# Allegro board FMDEMOD-Long.brd (continued)
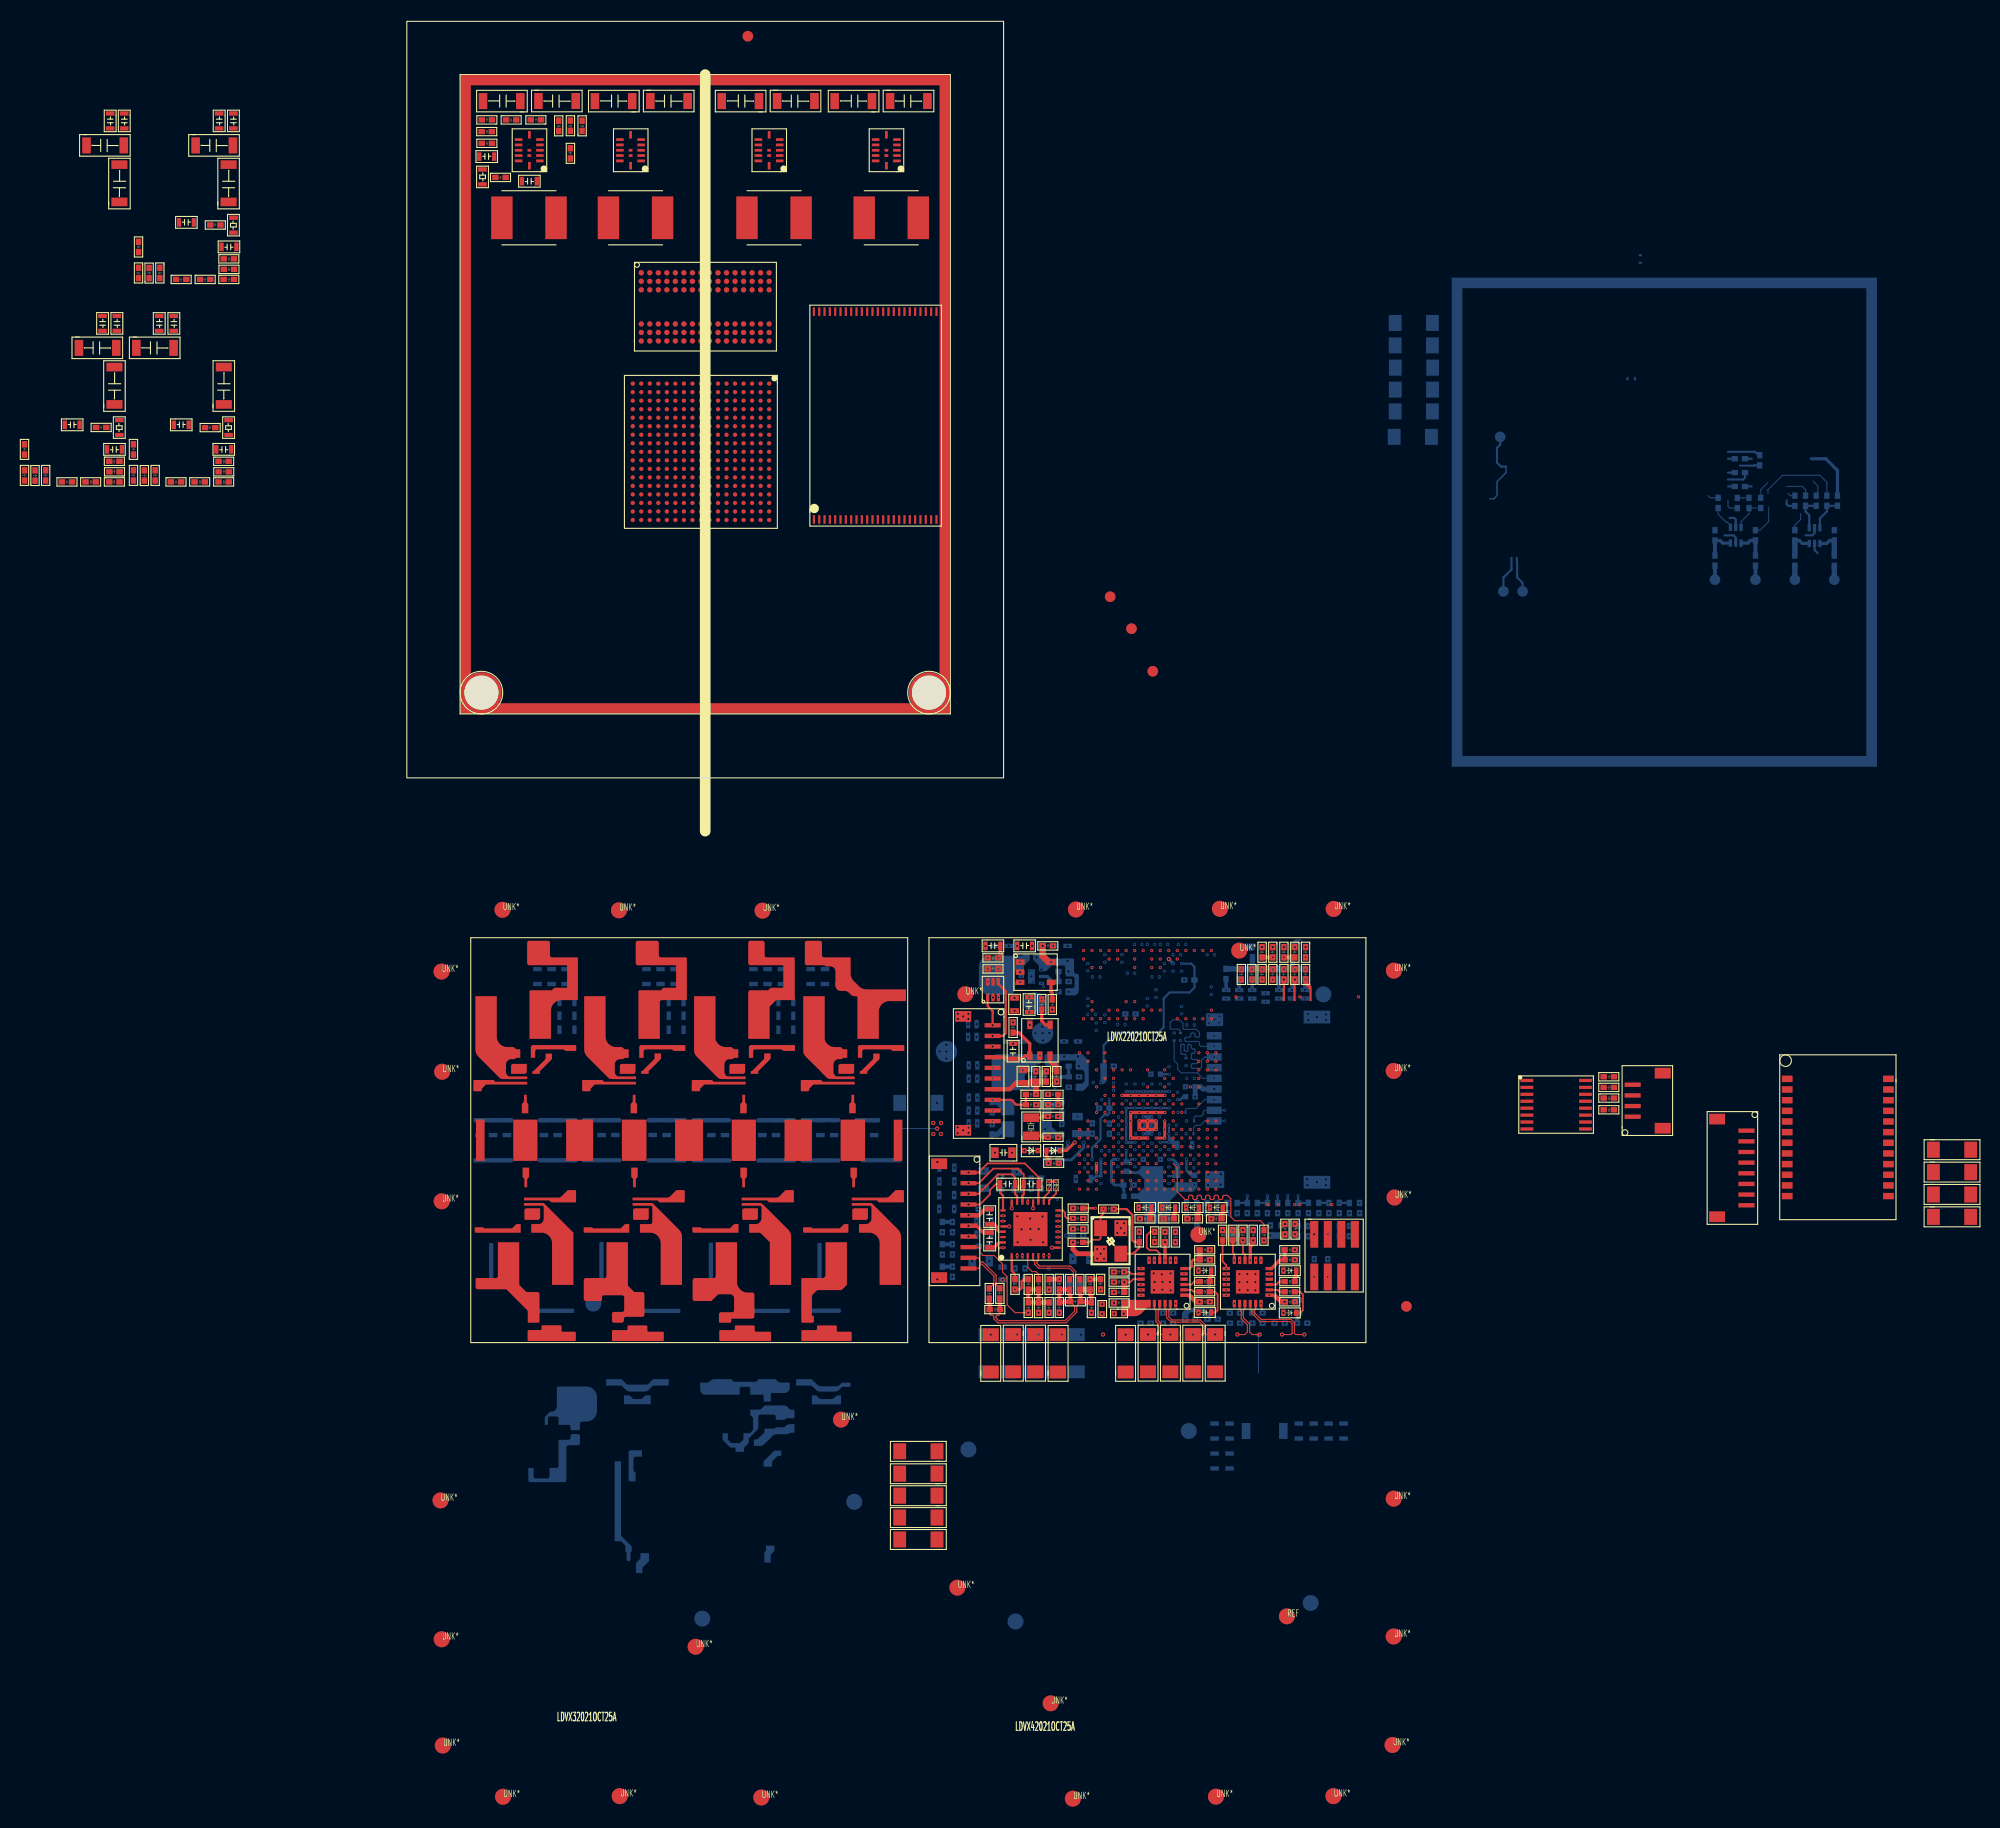
[diagram p0: board, top side]
## Placement (name value [footprint] x y rotation side) (continued)
L31  BLM18SP102SN1D  [FB0603]  56.08 -37.22 270 bottom
L32  BLM18SP102SN1D  [FB0402]  68.25 -39.51 180 bottom
L33  BLM18SP102SN1D  [FB0603]  55.5 -47.31 90 bottom
L34  BLM18SP102SN1D  [FB0603]  84.03 -48.82 270 bottom
NOREF  -  []  49.72 -46.33 0 top
NOREF#2  -  []  55.9 -48.36 0 top
NOREF#3  -  []  63.32 -27.45 90 top
NOREF#4  -  []  81.56 -20.81 0 top
NOREF#5  -  []  121.4 20.37 0 top
NOREF#6  -  []  -20.72 27.39 90 top
NOREF#7  -  []  89.65 -41.96 0 top
NOREF#8  -  []  113.73 -29.44 90 top
NOREF#9  -  []  57.29 -23.03 0 top
NOREF#10  -  []  115.43 36.76 90 top
NOREF#11  -  []  78.4 -64.91 90 top
NOREF#12  -  []  83.79 -49.56 90 top
NOREF#13  -  []  32.93 -19.44 90 top
NOREF#14  -  []  62.22 -26.66 90 top
NOREF#15  -  []  83.94 -19.39 0 top
NOREF#16  -  []  69.12 -36.11 90 top
NOREF#17  -  []  18.7 -33.63 90 top
NOREF#18  -  []  86.93 -40.35 90 top
NOREF#19  -  []  40.51 -33.62 90 top
NOREF#20  -  []  64.42 -36.03 0 top
NOREF#21  -  []  -28.23 30.42 0 top
NOREF#22  -  []  89.8 -42.51 90 top
NOREF#23  -  []  26.07 -20.62 0 top
NOREF#24  -  []  84.7 -61.29 0 top
NOREF#25  -  []  84.41 -18.38 90 top
NOREF#26  -  []  78.9 -58.9 0 top
NOREF#27  -  []  6.57 62.14 0 top
NOREF#28  -  []  72.9 -22.76 0 top
NOREF#29  -  []  24.48 -23.23 0 top
NOREF#30  -  []  64.32 -49.69 90 top
NOREF#31  -  []  -16.03 46.55 0 top
NOREF#32  -  []  134.6 26.03 90 top
NOREF#33  -  []  56.48 -26.45 90 top
NOREF#34  -  []  71.88 -17.75 90 top
NOREF#35  -  []  85.46 -16.34 90 top
NOREF#36  -  []  69.12 -35.16 90 top
NOREF#37  -  []  111.85 -26.88 0 top
NOREF#38  -  []  -20.38 27.39 0 top
NOREF#39  -  []  70.49 -30.61 0 top
NOREF#40  -  []  55.91 -43.57 90 top
NOREF#41  -  []  69.22 -33.63 0 top
NOREF#42  -  []  81.51 -18.43 0 top
NOREF#43  -  []  70.28 -24.23 90 top
NOREF#44  -  []  76.77 -49.83 0 top
NOREF#45  -  []  52.63 -31.52 90 top
NOREF#46  -  []  70.82 -17.75 0 top
NOREF#47  -  []  67.75 -28.55 0 top
NOREF#48  -  []  52.62 -32.72 90 top
NOREF#49  -  []  66.1 -31.39 0 top
NOREF#50  -  []  70.3 -25.24 0 top
NOREF#51  -  []  61.64 -35.28 90 top
NOREF#52  -  []  85.4 -37.95 90 top
NOREF#53  -  []  49.05 -41.65 0 top
NOREF#54  -  []  38.84 -21.04 0 top
NOREF#55  -  []  105.8 -22.7 90 top
NOREF#56  -  []  -16.52 27.55 0 top
NOREF#57  -  []  68.34 -44.02 0 top
NOREF#58  -  []  83.79 -44.68 90 top
NOREF#59  -  []  77.22 -41.96 0 top
NOREF#60  -  []  76.59 -20.81 90 top
NOREF#61  -  []  49.86 -43.09 0 top
NOREF#62  -  []  59.7 -33.34 0 top
NOREF#63  -  []  81.51 -16.34 0 top
NOREF#64  -  []  83.58 -16.34 0 top
NOREF#65  -  []  80.25 -51.56 90 top
NOREF#66  -  []  10.73 61.36 90 top
NOREF#67  -  []  52.54 -46.33 90 top
NOREF#68  -  []  79.54 -18.43 0 top
NOREF#69  -  []  66.22 -18.92 90 top
NOREF#70  -  []  83.23 -50.42 0 top
NOREF#71  -  []  72.09 -28.32 0 top
NOREF#72  -  []  128.9 25.98 0 top
NOREF#73  -  []  83.94 -19.39 90 top
NOREF#74  -  []  52.85 -45.98 90 top
NOREF#75  -  []  82.39 -18.43 90 top
NOREF#76  -  []  75.4 -61.29 0 top
NOREF#77  -  []  64.26 -48.87 90 top
NOREF#78  -  []  70.12 -31.59 0 top
NOREF#79  -  []  6.4 -32.03 0 top
NOREF#80  -  []  52.63 -30.92 0 top
NOREF#81  -  []  71.98 -36.83 90 top
NOREF#82  -  []  59.02 -23.41 90 top
NOREF#83  -  []  60.6 -19.79 90 top
NOREF#84  -  []  135.3 22.78 90 top
NOREF#85  -  []  132.64 26.67 90 top
NOREF#86  -  []  63.42 -36.37 90 top
NOREF#87  -  []  69.22 -32.03 0 top
NOREF#88  -  []  81.91 -44.68 0 top
NOREF#89  -  []  80.99 -41.96 90 top
NOREF#90  -  []  52.54 -42.13 90 top
NOREF#91  -  []  69.74 -32.49 0 top
NOREF#92  -  []  69.35 -28.55 0 top
NOREF#93  -  []  -22.03 39.57 90 top
NOREF#94  -  []  56.01 -47.5 90 top
NOREF#95  -  []  75.03 -41.77 0 top
NOREF#96  -  []  5 66 0 top
NOREF#97  -  []  70.19 -32.99 0 top
NOREF#98  -  []  70.76 -42.15 0 top
NOREF#99  -  []  104.68 -23.01 0 top
NOREF#100  -  []  62.57 -23.03 0 top
NOREF#101  -  []  66.52 -29.99 90 top
NOREF#102  -  []  132.6 19.59 90 top
NOREF#103  -  []  74.06 -32.88 90 top
NOREF#104  -  []  77 -62.1 90 top
NOREF#105  -  []  63.94 -33.84 0 top
NOREF#106  -  []  37.97 -21.43 90 top
NOREF#107  -  []  34.79 -21.04 0 top
NOREF#108  -  []  73.93 -48.61 0 top
NOREF#109  -  []  72.31 -43.06 90 top
NOREF#110  -  []  55.1 -45.78 0 top
NOREF#111  -  []  14.32 60.39 90 top
NOREF#112  -  []  73.93 -47.66 0 top
NOREF#113  -  []  76.59 -20.81 0 top
NOREF#114  -  []  -25.16 26.79 0 top
NOREF#115  -  []  54.51 -20.61 0 top
NOREF#116  -  []  64.44 -23.31 0 top
NOREF#117  -  []  61.63 -36.23 90 top
NOREF#118  -  []  79.11 -41.96 0 top
NOREF#119  -  []  26.32 -19.44 90 top
NOREF#120  -  []  81.28 -44.05 0 top
NOREF#121  -  []  83.39 -16.34 90 top
NOREF#122  -  []  69.27 -22.59 90 top
NOREF#123  -  []  50.66 -39.87 0 top
NOREF#124  -  []  78.87 -51.39 0 top
NOREF#125  -  []  -14.64 27.55 90 top
NOREF#126  -  []  -27.78 54.2 90 top
NOREF#127  -  []  58.63 -28.96 90 top
NOREF#128  -  []  62.3 -33.59 90 top
NOREF#129  -  []  60.03 -35.4 0 top
NOREF#130  -  []  -32.83 27.39 0 top
NOREF#131  -  []  83.79 -48.61 90 top
NOREF#132  -  []  71.98 -36.37 0 top
NOREF#133  -  []  8.99 -32.03 0 top
NOREF#134  -  []  55.28 -38.82 0 top
NOREF#135  -  []  67.62 -34.43 0 top
NOREF#136  -  []  122.55 28.26 90 top
NOREF#137  -  []  -16.68 52.67 0 top
NOREF#138  -  []  126.02 22.78 0 top
NOREF#139  -  []  80.75 -51.39 90 top
NOREF#140  -  []  85.64 -18.38 90 top
NOREF#141  -  []  70.98 -36.75 90 top
NOREF#142  -  []  72.81 -24.25 90 top
NOREF#143  -  []  6 -53 90 top
NOREF#144  -  []  69.12 -34.5 90 top
NOREF#145  -  []  63.93 -42.72 90 top
NOREF#146  -  []  23.98 -30.42 0 top
NOREF#147  -  []  22.09 -18.63 0 top
NOREF#148  -  []  121.4 19.59 90 top
NOREF#149  -  []  61.3 -30.88 0 top
NOREF#150  -  []  56.4 -46.95 0 top
NOREF#151  -  []  37.92 -33.62 90 top
NOREF#152  -  []  7.51 55.6 90 top
NOREF#153  -  []  82.96 -41.41 0 top
NOREF#154  -  []  113.73 -27.66 90 top
NOREF#155  -  []  61.27 -24.63 90 top
NOREF#156  -  []  61.27 -23.03 0 top
NOREF#157  -  []  74.95 -15.8 0 top
NOREF#158  -  []  53.21 -40.88 0 top
NOREF#159  -  []  45.5 64.33 0 top
NOREF#160  -  []  59.7 -34.12 90 top
NOREF#161  -  []  59.76 -34.5 0 top
NOREF#162  -  []  58.56 -49.69 0 top
NOREF#163  -  []  84.8 -41.96 90 top
NOREF#164  -  []  81.91 -49.56 0 top
NOREF#165  -  []  -33.64 28.4 0 top
NOREF#166  -  []  81.56 -20.81 90 top
NOREF#167  -  []  59.66 -49.12 90 top
NOREF#168  -  []  73.32 -27.62 0 top
NOREF#169  -  []  56.3 -47.31 90 top
NOREF#170  -  []  -17.98 35.2 90 top
NOREF#171  -  []  -23.36 28.4 0 top
NOREF#172  -  []  70.49 -32.17 0 top
NOREF#173  -  []  -18.01 60.85 0 top
NOREF#174  -  []  124.46 24.85 90 top
NOREF#175  -  []  63.48 -48.87 0 top
NOREF#176  -  []  132.1 22 0 top
NOREF#177  -  []  54.2 -15.36 0 top
NOREF#178  -  []  57.4 -19.79 0 top
NOREF#179  -  []  29.46 -35.23 0 top
NOREF#180  -  []  128.4 25.82 90 top
NOREF#181  -  []  50 36 0 top
NOREF#182  -  []  27.68 -21.43 90 top
NOREF#183  -  []  64.55 -41.31 0 top
NOREF#184  -  []  70.28 -33.63 90 top
NOREF#185  -  []  69.22 -24.23 0 top
NOREF#186  -  []  52.57 -22.81 0 top
NOREF#187  -  []  70.07 -21.78 90 top
NOREF#188  -  []  14.57 -35.23 90 top
NOREF#189  -  []  78.22 -18.38 90 top
NOREF#190  -  []  36.36 -21.92 0 top
NOREF#191  -  []  71.72 -30.04 0 top
NOREF#192  -  []  72.94 -34.09 0 top
NOREF#193  -  []  10.7 55.59 0 top
NOREF#194  -  []  57.43 -22.06 90 top
NOREF#195  -  []  -27.42 39.57 90 top
NOREF#196  -  []  82.92 -41.96 0 top
NOREF#197  -  []  12.5 64.33 0 top
NOREF#198  -  []  78.16 -41.96 0 top
NOREF#199  -  []  12.66 -19.44 90 top
NOREF#200  -  []  62.11 -48.79 0 top
NOREF#201  -  []  9.73 55.96 90 top
NOREF#202  -  []  22 41 90 top
NOREF#203  -  []  -16.68 51.07 90 top
NOREF#204  -  []  57.72 -51.07 90 top
NOREF#205  -  []  71.86 -51.56 90 top
NOREF#206  -  []  62.3 -45.77 0 top
NOREF#207  -  []  16.59 -32.03 0 top
NOREF#208  -  []  114.37 36.76 0 top
NOREF#209  -  []  70.56 -41.77 0 top
NOREF#210  -  []  75.97 -19.35 90 top
NOREF#211  -  []  63.93 -41.73 90 top
NOREF#212  -  []  66.06 -28.93 0 top
NOREF#213  -  []  -30.62 41.17 0 top
NOREF#214  -  []  -27.39 32.07 90 top
NOREF#215  -  []  74.5 -28 90 top
NOREF#216  -  []  59.21 -15.38 0 top
NOREF#217  -  []  87.75 -44.12 0 top
NOREF#218  -  []  52.62 -32.12 0 top
NOREF#219  -  []  71.29 -36.19 0 top
NOREF#220  -  []  65.9 -47.9 0 top
NOREF#221  -  []  78.64 -50.61 90 top
NOREF#222  -  []  51.6 -44.23 90 top
NOREF#223  -  []  77.81 -20.81 0 top
NOREF#224  -  []  59.62 -28.96 90 top
NOREF#225  -  []  64.55 -48.38 90 top
NOREF#226  -  []  37.97 -22.73 90 top
NOREF#227  -  []  65.24 -28.82 0 top
NOREF#228  -  []  -35.42 26.79 0 top
NOREF#229  -  []  -15.76 48.32 90 top
NOREF#230  -  []  68.42 -18.57 0 top
NOREF#231  -  []  72.39 -34.09 90 top
NOREF#232  -  []  113.73 -30.44 90 top
NOREF#233  -  []  23.4 -18.63 0 top
NOREF#234  -  []  53.35 -43.27 90 top
NOREF#235  -  []  63.55 -33.59 90 top
NOREF#236  -  []  14.32 61.17 0 top
NOREF#237  -  []  59.27 -17.24 0 top
NOREF#238  -  []  -22.92 47.4 0 top
NOREF#239  -  []  71.25 -34.5 0 top
NOREF#240  -  []  73.93 -47.66 0 top
NOREF#241  -  []  22 41 0 top
NOREF#242  -  []  73.93 -49.56 0 top
NOREF#243  -  []  72.78 -30.04 90 top
NOREF#244  -  []  -19.89 51.73 90 top
NOREF#245  -  []  14.23 -23.23 0 top
NOREF#246  -  []  105.1 -28.4 0 top
NOREF#247  -  []  82.89 -41.96 90 top
NOREF#248  -  []  53.21 -40.88 90 top
NOREF#249  -  []  -21.48 28.4 90 top
NOREF#250  -  []  65.54 -41.55 90 top
NOREF#251  -  []  65.9 -48.68 90 top
NOREF#252  -  []  58.77 -16.17 90 top
NOREF#253  -  []  68.39 -41.64 90 top
NOREF#254  -  []  75.24 -19.94 0 top
NOREF#255  -  []  38.41 -32.02 0 top
NOREF#256  -  []  70.07 -21.78 0 top
NOREF#257  -  []  56.27 -30.89 90 top
NOREF#258  -  []  52.28 -36.99 90 top
NOREF#259  -  []  61.13 -38.19 0 top
NOREF#260  -  []  71.52 -34.5 90 top
NOREF#261  -  []  60.96 -22.21 90 top
NOREF#262  -  []  83.75 -18.38 0 top
NOREF#263  -  []  52.57 -24.02 0 top
NOREF#264  -  []  61.59 -17.27 90 top
NOREF#265  -  []  -17.2 60.85 0 top
NOREF#266  -  []  71.59 -44.67 0 top
NOREF#267  -  []  10.7 55.59 90 top
NOREF#268  -  []  68.68 -32.06 90 top
NOREF#269  -  []  78.17 -41.96 90 top
NOREF#270  -  []  72.58 -38.25 90 top
NOREF#271  -  []  75.77 -32.2 90 top
NOREF#272  -  []  -35.62 28.4 0 top
NOREF#273  -  []  -17.49 49.42 0 top
NOREF#274  -  []  -25.23 41.17 0 top
NOREF#275  -  []  61.71 -21.24 90 top
NOREF#276  -  []  59.21 -16.16 90 top
NOREF#277  -  []  28.18 -32.03 0 top
NOREF#278  -  []  17.4 -33.63 90 top
NOREF#279  -  []  72.79 -41.77 0 top
NOREF#280  -  []  83.97 -20.8 0 top
NOREF#281  -  []  59.39 -38.53 90 top
NOREF#282  -  []  76.02 -44.5 0 top
NOREF#283  -  []  57.79 -37.72 0 top
NOREF#284  -  []  75.81 -44.68 90 top
NOREF#285  -  []  11.17 62.14 0 top
NOREF#286  -  []  58.63 -28.96 0 top
NOREF#287  -  []  42.15 -32.03 0 top
NOREF#288  -  []  49.3 -31.8 0 top
NOREF#289  -  []  131.6 22.78 90 top
NOREF#290  -  []  57.98 -33.81 90 top
NOREF#291  -  []  70.8 -32.49 90 top
NOREF#292  -  []  133.42 22.78 0 top
NOREF#293  -  []  53.35 -41.19 0 top
NOREF#294  -  []  59.2 -47.51 90 top
NOREF#295  -  []  40.17 -21.04 0 top
NOREF#296  -  []  74.09 -19.35 0 top
NOREF#297  -  []  -16.25 27.39 90 top
NOREF#298  -  []  -22.6 27.39 0 top
NOREF#299  -  []  39.65 -21.04 90 top
NOREF#300  -  []  17.89 -32.03 0 top
NOREF#301  -  []  68.84 -22.55 90 top
NOREF#302  -  []  60.48 -38.19 0 top
NOREF#303  -  []  63.58 -49.12 0 top
NOREF#304  -  []  62.57 -24.63 90 top
NOREF#305  -  []  61.15 -48.79 0 top
NOREF#306  -  []  79.1 -41.96 90 top
NOREF#307  -  []  79.81 -43.86 90 top
NOREF#308  -  []  55.45 -46.95 0 top
NOREF#309  -  []  69.69 -30.61 90 top
NOREF#310  -  []  -25.71 48.24 0 top
NOREF#311  -  []  111.85 -29.44 0 top
NOREF#312  -  []  65.14 -28.44 90 top
NOREF#313  -  []  84.44 -51.56 90 top
NOREF#314  -  []  82.01 -41.42 0 top
NOREF#315  -  []  57.42 -28.82 0 top
NOREF#316  -  []  75.34 -41.96 0 top
NOREF#317  -  []  -30.6 32.73 90 top
NOREF#318  -  []  57.78 -48.36 90 top
NOREF#319  -  []  82.36 -51.56 90 top
NOREF#320  -  []  -22.27 41.85 0 top
NOREF#321  -  []  118.3 -41.6 90 top
NOREF#322  -  []  58.89 -46.6 90 top
NOREF#323  -  []  0 71 0 top
NOREF#324  -  []  22.67 -30.42 0 top
NOREF#325  -  []  10.5 62.7 90 top
NOREF#326  -  []  60.03 -35.4 90 top
NOREF#327  -  []  59.62 -28.96 0 top
NOREF#328  -  []  86.77 -41.96 0 top
NOREF#329  -  []  -16.47 58.57 90 top
NOREF#330  -  []  6.7 58.71 0 top
NOREF#331  -  []  52.71 -46.04 90 top
NOREF#332  -  []  63.07 -52.26 0 top
NOREF#333  -  []  86.66 -47.22 0 top
NOREF#334  -  []  -22.83 45.79 90 top
NOREF#335  -  []  73.86 -25.26 90 top
NOREF#336  -  []  71.54 -44.03 90 top
NOREF#337  -  []  125.2 20.37 0 top
NOREF#338  -  []  63.65 -43.34 0 top
NOREF#339  -  []  53.5 -38.71 90 top
NOREF#340  -  []  125.24 26.73 90 top
NOREF#341  -  []  60.33 -17.27 0 top
NOREF#342  -  []  61.11 -31.84 90 top
NOREF#343  -  []  78.82 -18.38 0 top
NOREF#344  -  []  43.5 62.7 90 top
NOREF#345  -  []  111.85 -30.44 0 top
NOREF#346  -  []  129.56 21.91 90 top
NOREF#347  -  []  68.89 -36.19 90 top
NOREF#348  -  []  68.68 -33.63 90 top
NOREF#349  -  []  52.21 -33.08 90 top
NOREF#350  -  []  84.43 -16.34 90 top
NOREF#351  -  []  85.05 -45.25 90 top
NOREF#352  -  []  66.09 -30.5 0 top
NOREF#353  -  []  78.96 -17.28 90 top
NOREF#354  -  []  57.84 -38.79 90 top
NOREF#355  -  []  -35.48 29.88 90 top
NOREF#356  -  []  72.95 -41.15 0 top
NOREF#357  -  []  26.2 62.73 90 top
NOREF#358  -  []  130.72 26.03 0 top
NOREF#359  -  []  111.85 -31.54 0 top
NOREF#360  -  []  86.1 -61.29 0 top
NOREF#361  -  []  75.77 -25.2 90 top
NOREF#362  -  []  71.72 -28.42 0 top
NOREF#363  -  []  7.69 -32.03 0 top
NOREF#364  -  []  60.93 -32.95 0 top
NOREF#365  -  []  13.76 -35.23 0 top
NOREF#366  -  []  56.59 -38.79 90 top
NOREF#367  -  []  -17.13 33.67 0 top
NOREF#368  -  []  81.91 -45.62 0 top
NOREF#369  -  []  67.09 -35.23 90 top
NOREF#370  -  []  77 -64.91 90 top
NOREF#371  -  []  13.99 -19.44 90 top
NOREF#372  -  []  38.1 62.73 90 top
NOREF#373  -  []  72.78 -31.59 90 top
NOREF#374  -  []  70.43 -43.06 0 top
NOREF#375  -  []  -17.13 32.07 90 top
NOREF#376  -  []  82.28 -44.05 0 top
NOREF#377  -  []  74.67 -41.77 90 top
NOREF#378  -  []  57.78 -49.12 0 top
NOREF#379  -  []  68.52 -30.04 0 top
NOREF#380  -  []  14.23 -21.92 0 top
NOREF#381  -  []  61.15 -17.24 90 top
NOREF#382  -  []  24.48 -24.04 90 top
NOREF#383  -  []  81.91 -47.66 0 top
NOREF#384  -  []  71.75 -37.25 90 top
NOREF#385  -  []  63.42 -35.91 0 top
NOREF#386  -  []  56.39 -40.13 90 top
NOREF#387  -  []  73.41 -41.96 0 top
NOREF#388  -  []  74.18 -51.19 0 top
NOREF#389  -  []  68.06 -34.51 90 top
NOREF#390  -  []  59.76 -36.55 0 top
NOREF#391  -  []  38.31 -21.04 90 top
NOREF#392  -  []  57.32 -47.51 0 top
NOREF#393  -  []  -15.87 60.85 90 top
NOREF#394  -  []  75.41 -16.86 90 top
NOREF#395  -  []  -19.67 60.17 0 top
NOREF#396  -  []  -32.2 33.54 0 top
NOREF#397  -  []  40.98 -21.04 90 top
NOREF#398  -  []  55.94 -17.28 90 top
NOREF#399  -  []  124.29 28.7 0 top
NOREF#400  -  []  118.3 -41.6 0 top
NOREF#401  -  []  73.47 -44.67 90 top
NOREF#402  -  []  70.21 -41.77 90 top
NOREF#403  -  []  -23.05 47.4 90 top
NOREF#404  -  []  75.53 -48.61 0 top
NOREF#405  -  []  -23.64 41.85 0 top
NOREF#406  -  []  117.01 47.74 90 top
NOREF#407  -  []  71.81 -18.92 90 top
NOREF#408  -  []  82.1 -60.5 90 top
NOREF#409  -  []  57.63 -30.1 0 top
NOREF#410  -  []  13.18 -17.84 0 top
NOREF#411  -  []  80.06 -41.96 0 top
NOREF#412  -  []  84.68 -51.56 0 top
NOREF#413  -  []  64.17 -20.47 90 top
NOREF#414  -  []  52.57 -24.62 90 top
NOREF#415  -  []  6.57 59.94 0 top
NOREF#416  -  []  50.67 -38.76 90 top
NOREF#417  -  []  83.23 -50.42 90 top
NOREF#418  -  []  7.21 -33.63 90 top
NOREF#419  -  []  65.16 -18.92 0 top
NOREF#420  -  []  69.12 -34.7 0 top
NOREF#421  -  []  133.86 28.55 0 top
NOREF#422  -  []  124.82 30.61 90 top
NOREF#423  -  []  49.95 -46.9 90 top
NOREF#424  -  []  88.85 -40.35 90 top
NOREF#425  -  []  88.67 -44.12 90 top
NOREF#426  -  []  76.26 -44.05 90 top
NOREF#427  -  []  75.81 -49.56 90 top
NOREF#428  -  []  56.63 -22.06 0 top
NOREF#429  -  []  59.75 -35.45 0 top
NOREF#430  -  []  44.26 -33.63 90 top
NOREF#431  -  []  128.9 20.37 0 top
NOREF#432  -  []  78.16 -51.19 90 top
NOREF#433  -  []  67.9 -16.91 90 top
NOREF#434  -  []  81.91 -48.61 0 top
NOREF#435  -  []  88.65 -41.96 90 top
NOREF#436  -  []  25.28 -32.03 0 top
NOREF#437  -  []  -21.48 52.54 0 top
NOREF#438  -  []  24.48 -22.73 90 top
NOREF#439  -  []  -27.61 41.85 0 top
NOREF#440  -  []  63.36 -47.51 90 top
NOREF#441  -  []  68.21 -29.61 90 top
NOREF#442  -  []  5 6 90 top
NOREF#443  -  []  67.77 -37.98 90 top
NOREF#444  -  []  -16.25 29.32 90 top
NOREF#445  -  []  71.33 -34.09 0 top
NOREF#446  -  []  59.95 -39.02 90 top
NOREF#447  -  []  64.12 -17.29 90 top
NOREF#448  -  []  66.03 -35.23 0 top
NOREF#449  -  []  58.45 -26.08 0 top
NOREF#450  -  []  55.5 -45.71 0 top
NOREF#451  -  []  85.76 -44.12 90 top
NOREF#452  -  []  32.12 -17.84 0 top
NOREF#453  -  []  127.9 22.78 90 top
NOREF#454  -  []  56.01 -49.97 90 top
NOREF#455  -  []  77.41 -48.61 90 top
NOREF#456  -  []  73.93 -45.62 0 top
NOREF#457  -  []  25 -19.44 90 top
NOREF#458  -  []  83.79 -45.62 90 top
NOREF#459  -  []  60.84 -50.65 90 top
NOREF#460  -  []  88.54 -47.22 90 top
NOREF#461  -  []  85.76 -41.96 90 top
NOREF#462  -  []  50.64 -43.09 90 top
NOREF#463  -  []  79.46 -18.38 90 top
NOREF#464  -  []  -20.23 46.39 90 top
NOREF#465  -  []  -24.3 29.24 90 top
NOREF#466  -  []  86.3 -62.1 90 top
NOREF#467  -  []  72.19 -32.08 0 top
NOREF#468  -  []  65.16 -22.01 90 top
NOREF#469  -  []  50.66 -42.13 0 top
NOREF#470  -  []  19.16 -32.02 90 top
NOREF#471  -  []  23 64.33 0 top
NOREF#472  -  []  50.66 -42.67 0 top
NOREF#473  -  []  60.63 -51.3 90 top
NOREF#474  -  []  82.53 -18.38 0 top
NOREF#475  -  []  -17.98 30.42 90 top
NOREF#476  -  []  63.66 -16.23 0 top
NOREF#477  -  []  34.6 37.59 90 top
NOREF#478  -  []  63.26 -29.42 0 top
NOREF#479  -  []  86.97 -40.35 0 top
NOREF#480  -  []  72.55 -29.38 90 top
NOREF#481  -  []  26.89 -35.23 0 top
NOREF#482  -  []  89.1 -62.1 90 top
NOREF#483  -  []  55.84 -51.07 0 top
NOREF#484  -  []  58.45 -26.08 90 top
NOREF#485  -  []  67.62 -32.06 0 top
NOREF#486  -  []  12.12 61.17 0 top
NOREF#487  -  []  62.05 -41.73 0 top
NOREF#488  -  []  0 0 90 top
NOREF#489  -  []  -28.24 35.2 90 top
NOREF#490  -  []  132.6 26.03 90 top
NOREF#491  -  []  64.17 -19.5 90 top
NOREF#492  -  []  124.82 31.39 0 top
NOREF#493  -  []  -17.98 46.39 90 top
NOREF#494  -  []  89.63 -44.12 90 top
NOREF#495  -  []  79.03 -20.81 0 top
NOREF#496  -  []  63.93 -43.98 90 top
NOREF#497  -  []  77.41 -45.62 90 top
NOREF#498  -  []  72.44 -17.75 0 top
NOREF#499  -  []  87.5 -61.29 0 top
NOREF#500  -  []  122.22 22.78 0 top
NOREF#501  -  []  37.97 -24.04 90 top
NOREF#502  -  []  56.95 -47.5 90 top
NOREF#503  -  []  -26.71 58.57 90 top
NOREF#504  -  []  49.05 -41.65 90 top
NOREF#505  -  []  -15.77 46.39 90 top
NOREF#506  -  []  52.64 -29.7 0 top
NOREF#507  -  []  67.09 -23.95 0 top
NOREF#508  -  []  62.81 -32.95 90 top
NOREF#509  -  []  35.6 -21.04 90 top
NOREF#510  -  []  -24.89 27.55 90 top
NOREF#511  -  []  53.21 -44.37 0 top
NOREF#512  -  []  14.96 57.67 90 top
NOREF#513  -  []  77.9 -44.5 90 top
NOREF#514  -  []  14.23 -20.62 0 top
NOREF#515  -  []  82.67 -15.4 0 top
NOREF#516  -  []  9.8 -33.63 90 top
NOREF#517  -  []  67.09 -23.95 90 top
NOREF#518  -  []  54.15 -22.4 0 top
NOREF#519  -  []  59.7 -31.06 90 top
NOREF#520  -  []  -27.39 33.67 0 top
NOREF#521  -  []  64.87 -37.68 0 top
NOREF#522  -  []  -26.18 29.24 0 top
NOREF#523  -  []  51.48 -35.39 0 top
NOREF#524  -  []  64.21 -22.46 90 top
NOREF#525  -  []  81.78 -44.5 90 top
NOREF#526  -  []  62.29 -20.47 0 top
NOREF#527  -  []  63.66 -41.55 0 top
NOREF#528  -  []  61.62 -49.12 90 top
NOREF#529  -  []  -36.27 31.76 0 top
NOREF#530  -  []  57.95 -35.4 0 top
NOREF#531  -  []  66.46 -36.11 0 top
NOREF#532  -  []  61.54 -38.19 90 top
NOREF#533  -  []  54.15 -22.4 90 top
NOREF#534  -  []  69.13 -14.37 0 top
NOREF#535  -  []  -28.73 27.39 90 top
NOREF#536  -  []  51.6 -46.33 90 top
NOREF#537  -  []  23.68 -19.44 90 top
NOREF#538  -  []  14 62 90 top
NOREF#539  -  []  62.47 -50.12 90 top
NOREF#540  -  []  61.6 -44.33 0 top
NOREF#541  -  []  82.56 -51.56 0 top
NOREF#542  -  []  73.93 -47.66 90 top
NOREF#543  -  []  56.48 -24.85 0 top
NOREF#544  -  []  82.94 -19.39 90 top
NOREF#545  -  []  124.2 23.51 0 top
NOREF#546  -  []  69.27 -22.59 0 top
NOREF#547  -  []  35.05 -32.03 0 top
NOREF#548  -  []  27.7 -35.23 90 top
NOREF#549  -  []  63.32 -26.67 0 top
NOREF#550  -  []  81.3 -18.38 0 top
NOREF#551  -  []  70.28 -32.03 90 top
NOREF#552  -  []  59.7 -32.16 90 top
NOREF#553  -  []  63.07 -52.26 90 top
NOREF#554  -  []  54.13 -49.97 0 top
NOREF#555  -  []  53.63 -27.27 90 top
NOREF#556  -  []  71.52 -15.86 0 top
NOREF#557  -  []  66.3 -16.91 90 top
NOREF#558  -  []  14.23 -24.04 90 top
NOREF#559  -  []  128.9 19.59 90 top
NOREF#560  -  []  21 62.7 90 top
NOREF#561  -  []  125.2 22.03 90 top
NOREF#562  -  []  62.56 -19.33 90 top
NOREF#563  -  []  54.77 -17.27 90 top
NOREF#564  -  []  134.64 26.67 90 top
NOREF#565  -  []  119.3 -11.1 0 top
NOREF#566  -  []  67 -23.31 0 top
NOREF#567  -  []  70.49 -30.61 90 top
NOREF#568  -  []  131.86 28.55 0 top
NOREF#569  -  []  42.52 40.22 90 top
NOREF#570  -  []  59.23 -31.84 0 top
NOREF#571  -  []  66.97 -21.77 0 top
NOREF#572  -  []  8.85 61.36 0 top
NOREF#573  -  []  -28.15 41.85 90 top
NOREF#574  -  []  81.91 -19.39 90 top
NOREF#575  -  []  -19.39 33.26 0 top
NOREF#576  -  []  76.28 -51.19 0 top
NOREF#577  -  []  71.98 -36.03 90 top
NOREF#578  -  []  42.95 -33.63 90 top
NOREF#579  -  []  62.05 -42.72 0 top
NOREF#580  -  []  4.96 61.04 90 top
NOREF#581  -  []  75.81 -48.61 90 top
NOREF#582  -  []  76.8 -64.1 0 top
NOREF#583  -  []  84.08 -40.35 0 top
NOREF#584  -  []  69.69 -30.61 0 top
NOREF#585  -  []  36.35 -33.63 90 top
NOREF#586  -  []  80.51 -16.34 0 top
NOREF#587  -  []  65.48 -36.03 90 top
NOREF#588  -  []  71.75 -24.25 0 top
NOREF#589  -  []  65.93 -37.68 90 top
NOREF#590  -  []  -28.02 31.71 0 top
NOREF#591  -  []  85.05 -40.35 0 top
NOREF#592  -  []  83.84 -41.96 90 top
NOREF#593  -  []  68.89 -36.19 0 top
NOREF#594  -  []  83.97 -20.8 90 top
NOREF#595  -  []  65.53 -43.34 90 top
NOREF#596  -  []  -17.64 48.32 0 top
NOREF#597  -  []  33.77 -35.23 90 top
NOREF#598  -  []  -26.14 31.71 90 top
NOREF#599  -  []  -19.39 32.48 90 top
NOREF#600  -  []  72.21 -16.86 90 top
NOREF#601  -  []  87.28 -47.22 90 top
NOREF#602  -  []  111.08 -28.11 90 top
NOREF#603  -  []  -18.91 52.27 0 top
NOREF#604  -  []  90.8 -7.7 0 top
NOREF#605  -  []  72.8 -25.26 0 top
NOREF#606  -  []  86.79 -44.12 0 top
NOREF#607  -  []  75.53 -45.62 0 top
NOREF#608  -  []  70.49 -51.39 0 top
NOREF#609  -  []  29.7 62.7 0 top
NOREF#610  -  []  -17.49 49.42 90 top
NOREF#611  -  []  -30.95 27.39 90 top
NOREF#612  -  []  75.81 -47.66 90 top
NOREF#613  -  []  50.66 -39.87 90 top
NOREF#614  -  []  77.05 -45.25 90 top
NOREF#615  -  []  66.51 -41.64 0 top
NOREF#616  -  []  55.28 -38.82 90 top
NOREF#617  -  []  68.33 -41.77 0 top
NOREF#618  -  []  74.04 -21.93 0 top
NOREF#619  -  []  86.46 -16.34 90 top
NOREF#620  -  []  85.4 -47.22 0 top
NOREF#621  -  []  80.04 -41.96 90 top
NOREF#622  -  []  81.94 -41.96 90 top
NOREF#623  -  []  72.44 -41.77 90 top
NOREF#624  -  []  51.56 -33.48 0 top
NOREF#625  -  []  19.16 -30.42 0 top
NOREF#626  -  []  -24.93 47.4 0 top
NOREF#627  -  []  4.96 61.82 0 top
NOREF#628  -  []  119.3 -26.2 90 top
NOREF#629  -  []  52.85 -44.73 0 top
NOREF#630  -  []  73.96 -22.76 90 top
NOREF#631  -  []  57.99 -20.47 0 top
NOREF#632  -  []  -26.5 27.39 90 top
NOREF#633  -  []  129.56 23.61 0 top
NOREF#634  -  []  57.17 -15.36 0 top
NOREF#635  -  []  91.53 -41.96 90 top
NOREF#636  -  []  80.51 -18.43 0 top
NOREF#637  -  []  127.3 25.82 90 top
NOREF#638  -  []  55.51 -20.61 90 top
NOREF#639  -  []  49.72 -44.23 0 top
NOREF#640  -  []  71.36 -31.8 0 top
NOREF#641  -  []  131.6 22 90 top
NOREF#642  -  []  58.2 -39.03 90 top
NOREF#643  -  []  11.85 -17.84 0 top
NOREF#644  -  []  82.39 -16.34 90 top
NOREF#645  -  []  70.13 -25.24 90 top
NOREF#646  -  []  84.9 -62.1 90 top
NOREF#647  -  []  124.29 31.3 0 top
NOREF#648  -  []  6.57 59.16 90 top
NOREF#649  -  []  54.98 -35.81 0 top
NOREF#650  -  []  84.58 -16.34 0 top
NOREF#651  -  []  -22.83 41.85 90 top
NOREF#652  -  []  -16.68 60.85 0 top
NOREF#653  -  []  72.78 -28.42 90 top
NOREF#654  -  []  61.64 -36.55 90 top
NOREF#655  -  []  14 62.78 0 top
NOREF#656  -  []  68.89 -32.17 0 top
NOREF#657  -  []  -23.83 48.24 90 top
NOREF#658  -  []  69.74 -34.09 0 top
NOREF#659  -  []  84.86 -44.12 0 top
NOREF#660  -  []  -18.13 29.32 0 top
NOREF#661  -  []  69.31 -16.32 0 top
NOREF#662  -  []  125.54 21.9 0 top
NOREF#663  -  []  -23.28 26.79 90 top
NOREF#664  -  []  70 24 90 top
NOREF#665  -  []  73 -32.88 0 top
NOREF#666  -  []  81.01 -41.96 0 top
NOREF#667  -  []  82.76 -20.8 0 top
NOREF#668  -  []  34.27 -21.04 90 top
NOREF#669  -  []  69.81 -29.61 90 top
NOREF#670  -  []  65.46 -49.12 90 top
NOREF#671  -  []  83.74 -43.29 90 top
NOREF#672  -  []  78.4 -62.1 90 top
NOREF#673  -  []  71.72 -31.59 0 top
NOREF#674  -  []  57.14 -23.41 0 top
NOREF#675  -  []  72.22 -15.4 90 top
NOREF#676  -  []  -21.46 41.85 90 top
NOREF#677  -  []  79.03 -41.98 0 top
NOREF#678  -  []  69.38 -47.54 90 top
NOREF#679  -  []  53.21 -44.37 90 top
NOREF#680  -  []  74.02 -29.66 0 top
NOREF#681  -  []  79.03 -20.81 90 top
NOREF#682  -  []  62.68 -37.23 0 top
NOREF#683  -  []  78.56 -18.43 0 top
NOREF#684  -  []  76.29 -41.96 0 top
NOREF#685  -  []  55.8 -16.17 90 top
NOREF#686  -  []  17.8 62.7 0 top
NOREF#687  -  []  -30.61 27.39 0 top
NOREF#688  -  []  127.24 21.9 90 top
NOREF#689  -  []  70.37 -16.32 90 top
NOREF#690  -  []  76.06 -51.19 90 top
NOREF#691  -  []  52.63 -27.27 0 top
NOREF#692  -  []  86.56 -51.56 90 top
NOREF#693  -  []  81.97 -41.96 0 top
NOREF#694  -  []  14.23 -21.43 90 top
NOREF#695  -  []  75.81 -45.62 90 top
NOREF#696  -  []  34.52 53.22 0 top
NOREF#697  -  []  70.46 -34.5 0 top
NOREF#698  -  []  63.44 -50.12 90 top
NOREF#699  -  []  115.95 47.74 0 top
NOREF#700  -  []  50.66 -46.33 0 top
NOREF#701  -  []  -17.98 35.2 90 top
NOREF#702  -  []  -26.8 41.85 90 top
NOREF#703  -  []  62.29 -19.5 0 top
NOREF#704  -  []  72.37 -51.39 90 top
NOREF#705  -  []  81.42 -18.43 90 top
NOREF#706  -  []  69.98 -51.56 0 top
NOREF#707  -  []  124.1 22.78 90 top
NOREF#708  -  []  57.95 -35.4 90 top
NOREF#709  -  []  65.24 -22.56 0 top
NOREF#710  -  []  28.98 -33.63 90 top
NOREF#711  -  []  66.3 -28.82 90 top
NOREF#712  -  []  63.75 -21.4 0 top
NOREF#713  -  []  -17.98 30.42 0 top
NOREF#714  -  []  55.98 -23.03 0 top
NOREF#715  -  []  36.36 -23.23 0 top
NOREF#716  -  []  24.48 -21.92 0 top
NOREF#717  -  []  74.5 -22.99 90 top
NOREF#718  -  []  65.24 -16.91 0 top
NOREF#719  -  []  7.3 62.7 0 top
NOREF#720  -  []  37.5 -21.04 0 top
NOREF#721  -  []  69.58 -30.04 90 top
NOREF#722  -  []  62.68 -38.04 90 top
NOREF#723  -  []  59.7 -30.28 0 top
NOREF#724  -  []  78.96 -15.4 0 top
NOREF#725  -  []  125.2 19.59 90 top
NOREF#726  -  []  63.18 -30.88 90 top
NOREF#727  -  []  -29.91 60.17 0 top
NOREF#728  -  []  39.7 -32.02 0 top
NOREF#729  -  []  70.59 -34.89 0 top
NOREF#730  -  []  61.6 -44.33 90 top
NOREF#731  -  []  82.76 -20.8 90 top
NOREF#732  -  []  37.12 -32.02 0 top
NOREF#733  -  []  80.95 -41.15 0 top
NOREF#734  -  []  60.45 -17.3 90 top
NOREF#735  -  []  68.68 -34.43 90 top
NOREF#736  -  []  105.1 -30.35 90 top
NOREF#737  -  []  -18.91 51.49 90 top
NOREF#738  -  []  11.17 61.36 90 top
NOREF#739  -  []  68.06 -34.5 0 top
NOREF#740  -  []  -28.23 30.42 90 top
NOREF#741  -  []  85.96 -40.35 90 top
NOREF#742  -  []  59.83 -21.24 0 top
NOREF#743  -  []  71.75 -36.69 90 top
NOREF#744  -  []  132.6 20.37 0 top
NOREF#745  -  []  68.52 -31.59 0 top
NOREF#746  -  []  81.91 -19.39 0 top
NOREF#747  -  []  60.8 -35.8 90 top
NOREF#748  -  []  53.35 -42 90 top
NOREF#749  -  []  55.1 -43.57 0 top
NOREF#750  -  []  -26.5 29.32 90 top
NOREF#751  -  []  30.27 -35.23 90 top
NOREF#752  -  []  15.87 -35.23 90 top
NOREF#753  -  []  55.17 -34.56 0 top
NOREF#754  -  []  76.34 -18.38 0 top
NOREF#755  -  []  -33.54 26.79 90 top
NOREF#756  -  []  66.18 -34.51 0 top
NOREF#757  -  []  67.19 -35.8 90 top
NOREF#758  -  []  84.16 -44.05 90 top
NOREF#759  -  []  61.59 -17.27 0 top
NOREF#760  -  []  63.59 -32.5 90 top
NOREF#761  -  []  56.08 -17.27 0 top
NOREF#762  -  []  68.89 -32.17 90 top
NOREF#763  -  []  67.72 -31.59 0 top
NOREF#764  -  []  67.23 -47.51 90 top
NOREF#765  -  []  65.9 -48.89 0 top
NOREF#766  -  []  76.98 -44.5 0 top
NOREF#767  -  []  -26.92 60.85 0 top
NOREF#768  -  []  8.5 -33.63 90 top
NOREF#769  -  []  61.48 -47.51 0 top
NOREF#770  -  []  83.39 -18.43 90 top
NOREF#771  -  []  69.77 -27.06 0 top
NOREF#772  -  []  82.79 -43.3 90 top
NOREF#773  -  []  68.06 -36.11 0 top
NOREF#774  -  []  56.08 -17.27 90 top
NOREF#775  -  []  52.54 -43.45 90 top
NOREF#776  -  []  68.34 -44.02 90 top
NOREF#777  -  []  23.98 -32.02 90 top
NOREF#778  -  []  80.59 -42.89 90 top
NOREF#779  -  []  70.75 -18.92 0 top
NOREF#780  -  []  75.4 -64.1 0 top
NOREF#781  -  []  14.96 57.67 0 top
NOREF#782  -  []  54.97 -32.22 90 top
NOREF#783  -  []  54.75 -38.71 90 top
NOREF#784  -  []  82.67 -17.28 90 top
NOREF#785  -  []  52.63 -28.53 0 top
NOREF#786  -  []  59.95 -39.02 90 top
NOREF#787  -  []  86.74 -44.12 90 top
NOREF#788  -  []  71.75 -15.8 0 top
NOREF#789  -  []  60.44 -49.69 90 top
NOREF#790  -  []  67.62 -33.63 0 top
NOREF#791  -  []  71.98 -35.57 0 top
NOREF#792  -  []  60.33 -17.27 90 top
NOREF#793  -  []  70.49 -32.17 90 top
NOREF#794  -  []  80.7 -18.38 90 top
NOREF#795  -  []  60.66 -50.65 0 top
NOREF#796  -  []  80.28 -20.11 0 top
NOREF#797  -  []  73.68 -37.75 0 top
NOREF#798  -  []  75.29 -41.96 90 top
NOREF#799  -  []  88.7 -41.96 0 top
NOREF#800  -  []  52.57 -23.41 90 top
NOREF#801  -  []  66.3 -22.56 90 top
NOREF#802  -  []  67.52 -36.11 90 top
NOREF#803  -  []  14.5 -17.84 0 top
NOREF#804  -  []  72.31 -34.5 90 top
NOREF#805  -  []  78.71 -42.89 0 top
NOREF#806  -  []  69.59 -15.43 90 top
NOREF#807  -  []  54.4 -30.89 0 top
NOREF#808  -  []  7.85 55.96 0 top
NOREF#809  -  []  71.83 -32.86 90 top
NOREF#810  -  []  24.72 -18.63 0 top
NOREF#811  -  []  69.37 -36.75 90 top
NOREF#812  -  []  75.77 -30.2 0 top
NOREF#813  -  []  76.3 -19.94 90 top
NOREF#814  -  []  122.66 28.34 0 top
NOREF#815  -  []  -20.37 32.73 90 top
NOREF#816  -  []  73.5 -17.75 90 top
NOREF#817  -  []  58.98 -37.15 90 top
NOREF#818  -  []  61.24 -28 0 top
NOREF#819  -  []  126.52 25.82 0 top
NOREF#820  -  []  14.23 -22.73 90 top
NOREF#821  -  []  74 -34.09 90 top
NOREF#822  -  []  59.51 -30.1 90 top
NOREF#823  -  []  80.44 -18.43 90 top
NOREF#824  -  []  87.7 -62.1 90 top
NOREF#825  -  []  63.53 -28.23 90 top
NOREF#826  -  []  26.09 -33.63 90 top
NOREF#827  -  []  68.66 -38.6 90 top
NOREF#828  -  []  55.91 -45.78 90 top
NOREF#829  -  []  55.58 -40.13 0 top
NOREF#830  -  []  67.5 -47.54 0 top
NOREF#831  -  []  -26.11 60.85 90 top
NOREF#832  -  []  123.44 26.46 90 top
NOREF#833  -  []  73.93 -44.68 0 top
NOREF#834  -  []  57.99 -22.07 90 top
NOREF#835  -  []  15.06 -35.23 0 top
NOREF#836  -  []  76.8 -61.29 0 top
NOREF#837  -  []  83.88 -44.12 0 top
NOREF#838  -  []  72.7 -17.75 90 top
NOREF#839  -  []  69.58 -31.59 90 top
NOREF#840  -  []  76.91 -41.77 90 top
NOREF#841  -  []  70.59 -34.89 90 top
NOREF#842  -  []  72.1 -51.56 0 top
NOREF#843  -  []  66.09 -30.5 90 top
NOREF#844  -  []  64.72 -33.84 90 top
NOREF#845  -  []  -25.4 28.4 0 top
NOREF#846  -  []  60.68 -19.33 0 top
NOREF#847  -  []  33.46 -21.04 0 top
NOREF#848  -  []  62.3 -45.77 90 top
NOREF#849  -  []  -26.77 27.55 0 top
NOREF#850  -  []  54.07 -17.54 0 top
NOREF#851  -  []  26 41 0 top
NOREF#852  -  []  -28.24 35.2 90 top
NOREF#853  -  []  12.12 60.39 90 top
NOREF#854  -  []  67 -23.77 90 top
NOREF#855  -  []  40.3 62.7 0 top
NOREF#856  -  []  83.18 -18.38 90 top
NOREF#857  -  []  63.12 -28 90 top
NOREF#858  -  []  54.07 -18.32 90 top
NOREF#859  -  []  -24.71 45.79 0 top
NOREF#860  -  []  35.54 -32.03 0 top
NOREF#861  -  []  83.16 -44.05 90 top
NOREF#862  -  []  13.28 -35.23 0 top
NOREF#863  -  []  49.87 -37.16 0 top
NOREF#864  -  []  15.31 -19.44 90 top
NOREF#865  -  []  61.71 -32.5 0 top
NOREF#866  -  []  73.25 -32.08 90 top
NOREF#867  -  []  83.88 -41.96 0 top
NOREF#868  -  []  -23.52 28.4 90 top
